# Altium PCB control128v4.PcbDoc
Units mm, origin at the board's own origin, x right, y up, seen from the top; angles counter-clockwise.
Board outline 105 x 150 mm, 2 copper layers (Top Layer, Bottom Layer); 97 components, 98 nets, 649 pads, 41 vias.
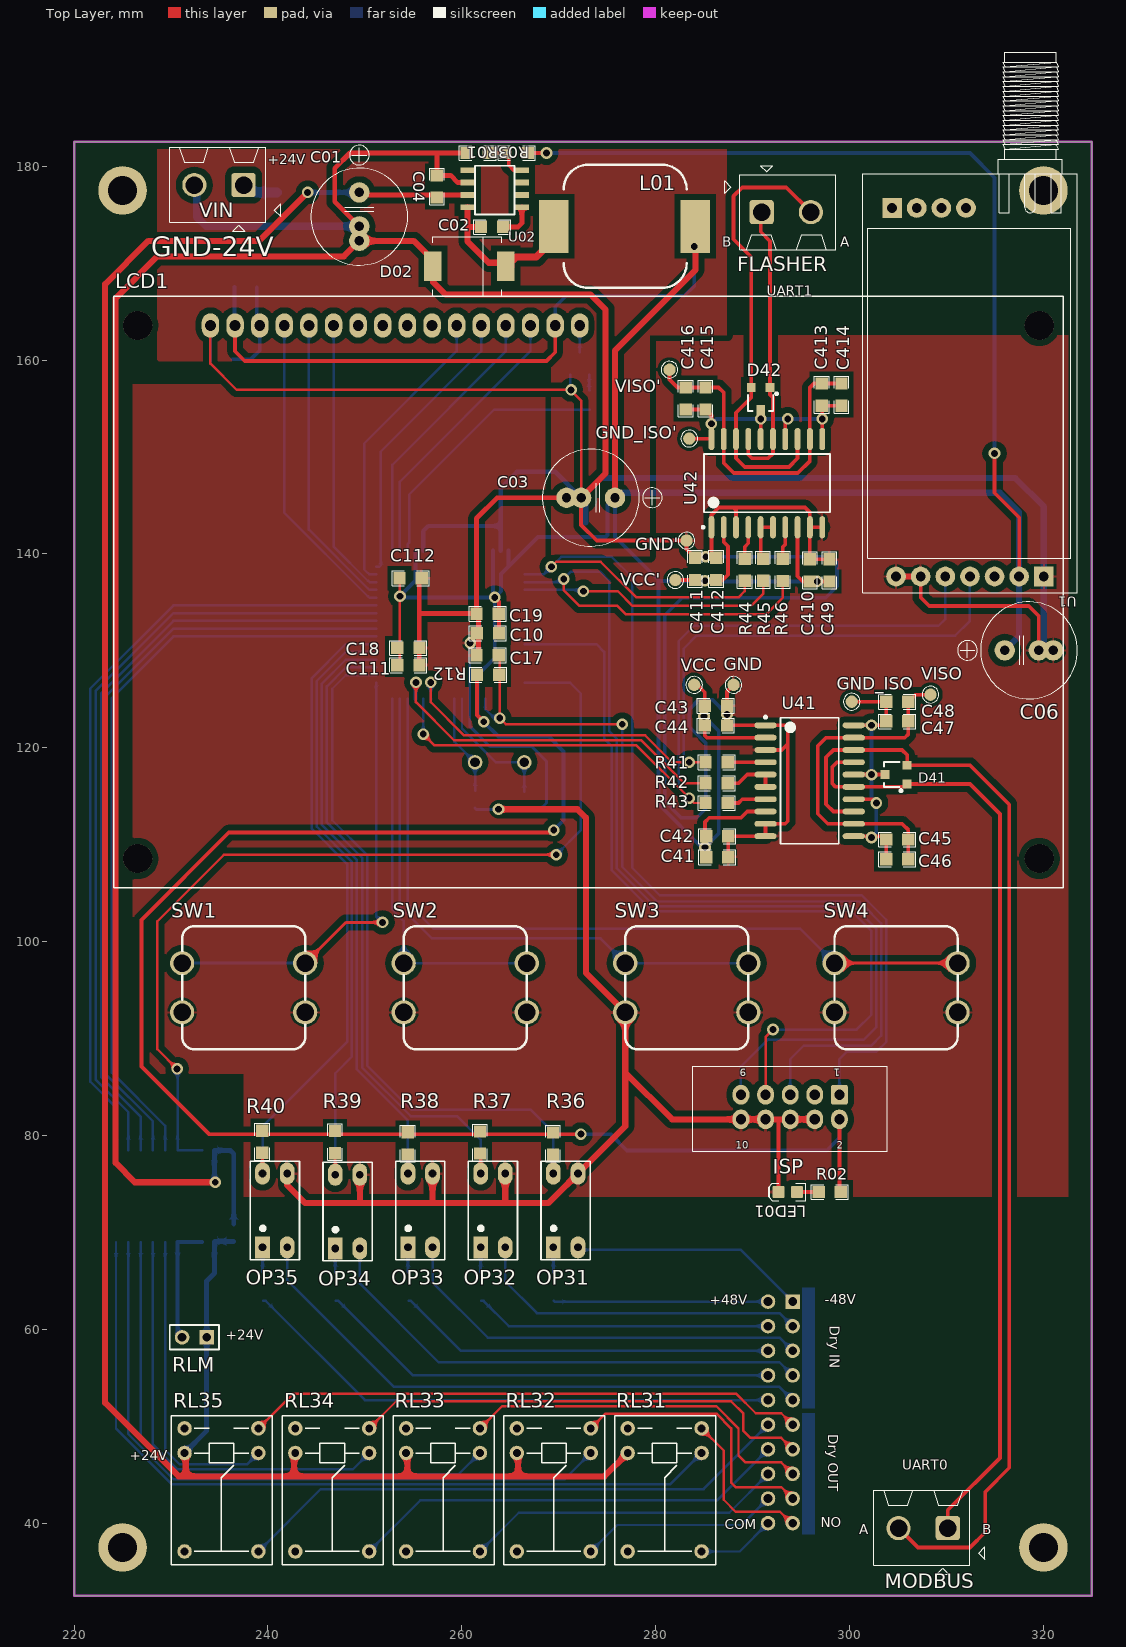
[diagram p0: Top Layer view]
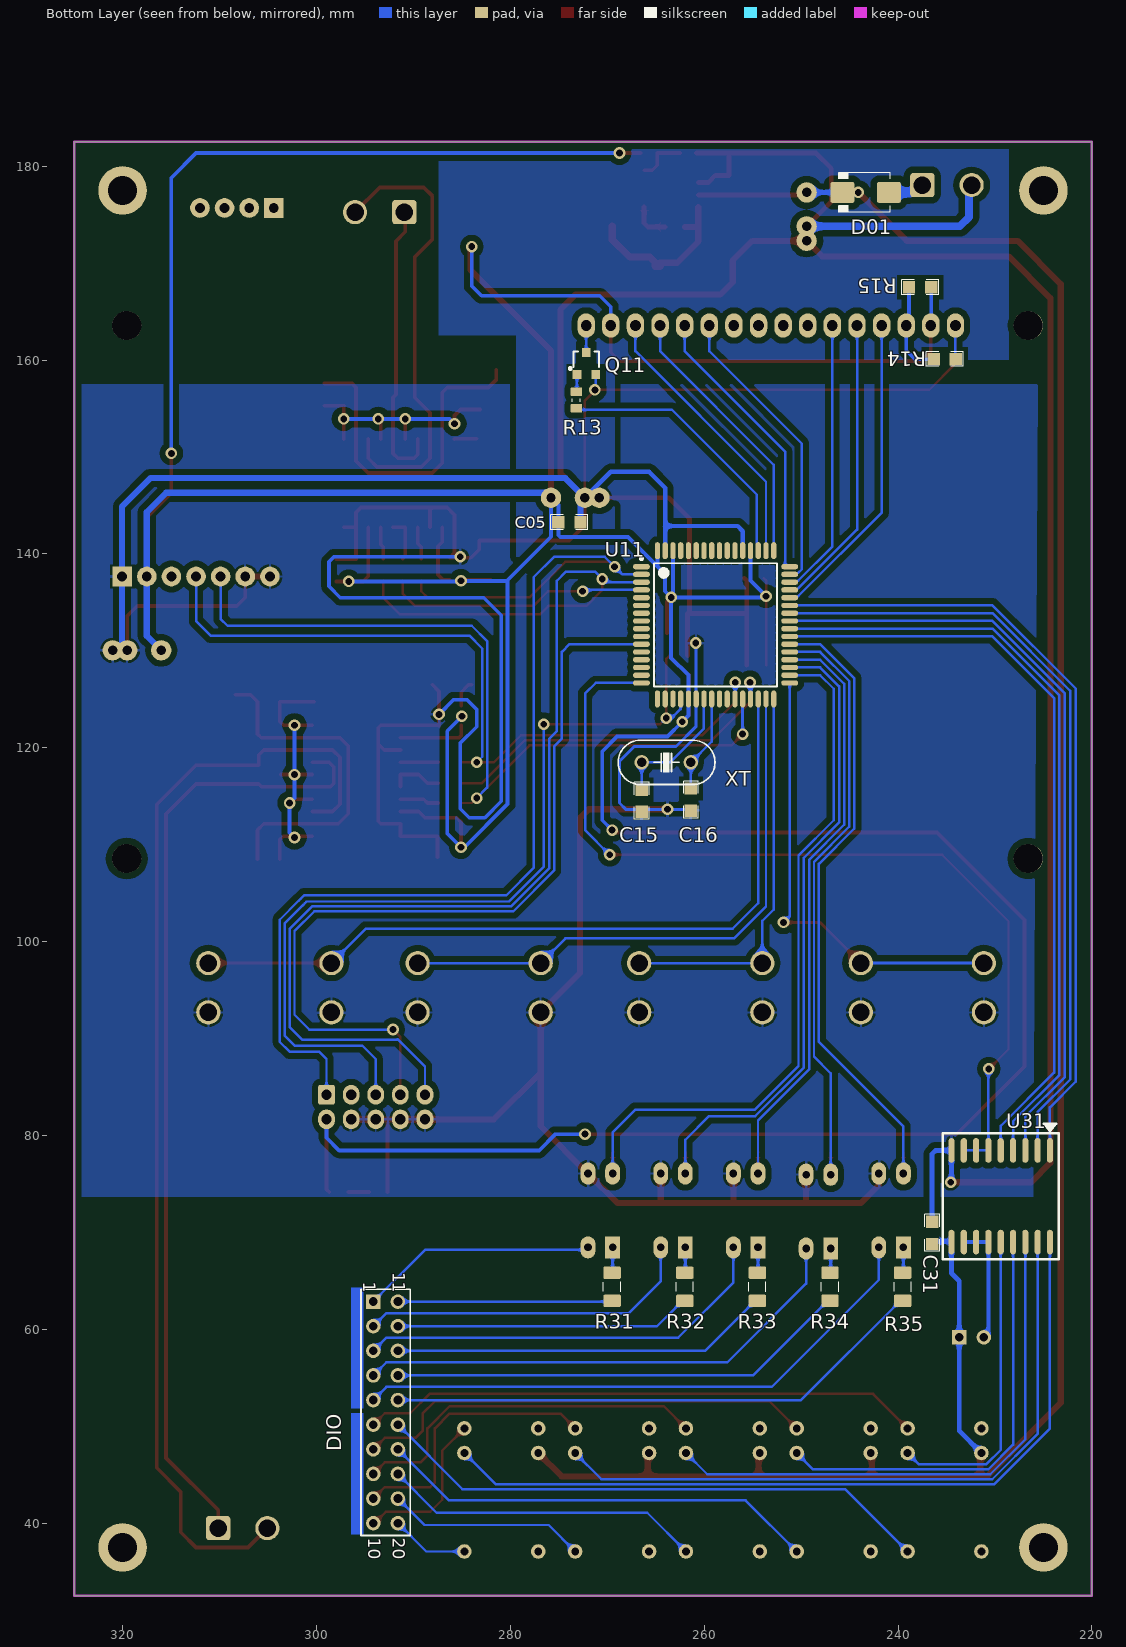
[diagram p1: Bottom Layer view, seen from below]
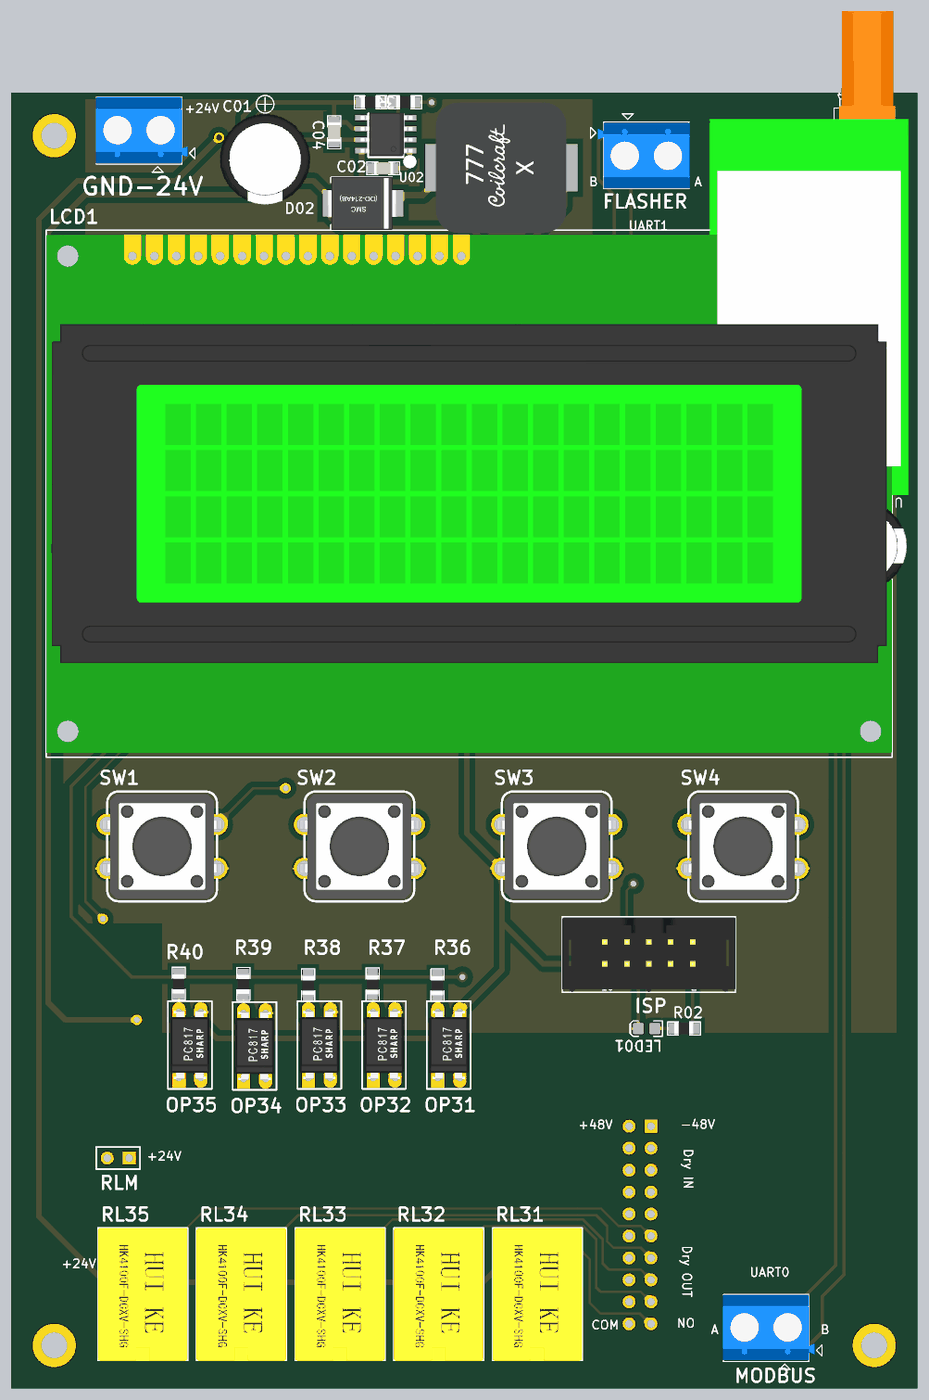
[diagram p2: 3D render of the assembled board from above, using the file's embedded part models]
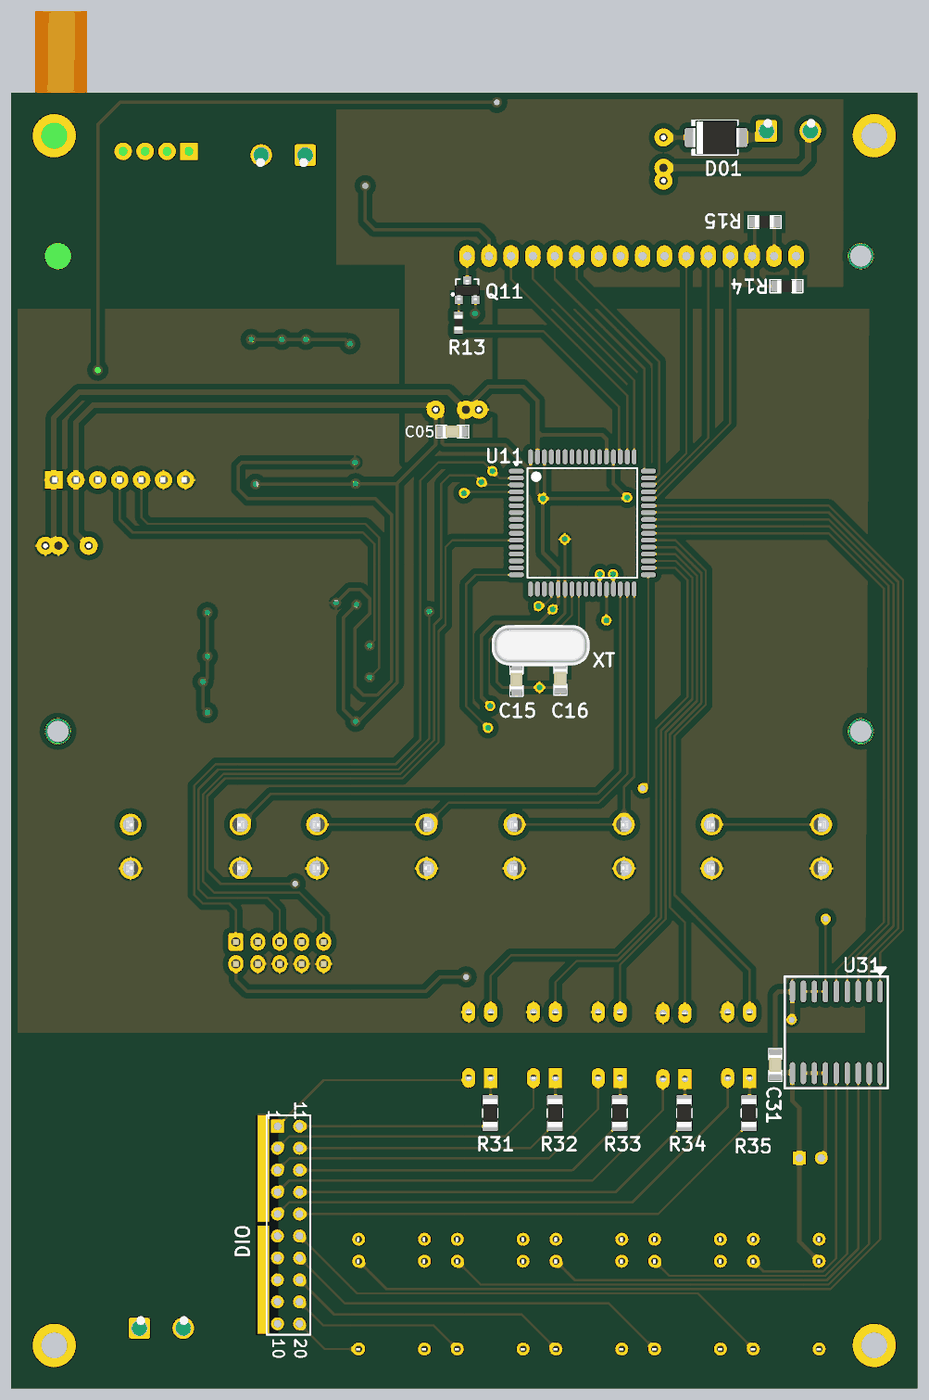
[diagram p3: 3D render of the assembled board from below, using the file's embedded part models]

## Layer stack, top to bottom
Top Solder: solder mask 0.0102, Solder Resist, Dk 3.5
Top Layer: signal copper 0.0356
Dielectric 1: dielectric 0.32, FR-4, Dk 4.8
Bottom Layer: signal copper 0.0356
Bottom Solder: solder mask 0.0102, Solder Resist, Dk 3.5

## Board outline
220,32.5 220,182.5 325,182.5 325,32.5

## Design rules (kind name [scope] priority, off if disabled: settings)
Clearance [All] p1: gap=0.305 ignorepadtopadclearanceinfootprint=TRUE except(0: Arc-Hole Track-Hole SMDPad-Hole THPad-Hole Via-Hole Fill-Hole Poly-Hole Region-Hole Text-Hole; 0.254: Arc-Track Arc-SMDPad Track-Track Track-SMDPad SMDPad-SMDPad; 0.635: Arc-Poly Track-Poly SMDPad-Poly THPad-Poly Via-Poly Fill-Poly Poly-Poly)
PolygonConnect [All] p1: connectstyle=Relief reliefconductorwidth=0.254 reliefentries=4 polygonreliefangle="90 Angle" airgapwidth=0.254
RoutingVias [All] p1: holewidth=0.8 width=1.3 viastyle="Through Hole" minholewidth=0.7 minwidth=1.2 maxholewidth=5 maxwidth=5
SolderMaskExpansion [All] p1: expansion=0.102
Width [All] p1: maxlimit=1.27 minlimit=0.254 preferedwidth=0.254
30 further rules are at their usual default settings.

## Classes and differential pairs
component class 0.powerv4: C01 C02 C03 C04 C05 D01 D02 L01 LED01 R01 R02 R03 U02 VIN
component class 2.rs485v4: C41 C42 C43 C44 C45 C46 C47 C48 C49 C410 C411 C412 C413 C414 C415 C416 D41 D42 FLASHER GND GND' GND_ISO GND_ISO' MODBUS R41 R42 R43 R44 R45 R46 U3 U41 U42 VCC VCC' VISO VISO'
component class 1.mcuv4: C06 C10 C15 C16 C17 C18 C19 C111 C112 ISP LCD1 Q11 R12 R13 R14 R15 SW1 SW3 SW4 U1 U11 U14 XT
component class 3.relayoutv4: C31 DIO OP31 OP32 OP33 OP34 OP35 R31 R32 R33 R34 R35 R36 R37 R38 R39 R40 RL31 RL32 RL33 RL34 RL35 RLM U31

## Components (designator, comment, footprint, x,y, rotation, side; value= is the part's Value field where it differs from the comment)
C01 "Tụ nhôm cắm35V/220uF" CAPE3.5-5.0MM_Rad_10x14mm 249.428,174.792 r270 top value=35V/220uF
C02 "Tụ điện dán 0603103" "CAP 0805"#1 263.144,173.736 r180 top value=103
C03 "Tụ nhôm cắm35V/220uF" CAPE3.5-5.0MM_Rad_10x14mm 273.304,145.796 r180 top value=35V/220uF
C04 "Tụ điện dán 0603104" "CAP 0805"#1 257.429,177.927 r270 top value=104
C05 "Tụ điện dán 0603104" "CAP 0805"#2 273.879,143.256 r0 bottom value=104
C06 "Tụ nhôm cắm35V/220uF" CAPE3.5-5.0MM_Rad_10x14mm 318.516,130.048 r0 top value=35V/220uF
C10 "Tụ điện dán 0603104" "CAP 0805"#1 262.661,131.826 r0 top value=104
C15 "Tụ điện dán 080522" "CAP 0805"#2 266.446,114.554 r270 bottom value=22
C16 "Tụ điện dán 080522" "CAP 0805"#2 261.366,114.681 r270 bottom value=22
C17 "Tụ điện dán 0603104" "CAP 0805"#1 262.636,129.54 r0 top value=104
C18 "Tụ điện dán 0603104" "CAP 0805"#1 254.508,130.302 r180 top value=104
C19 "Tụ điện dán 0603104" "CAP 0805"#1 262.636,133.833 r0 top value=104
C31 "Tụ điện dán 0603104" "CAP 0805"#2 236.474,69.977 r270 bottom value=104
C41 "Tụ điện dán 0603104" "CAP 0805"#1 286.385,108.712 r180 top value=104
C42 "Tụ điện dán 0805103" "CAP 0805"#1 286.385,110.883 r180 top value=103
C43 "Tụ điện dán 0805106" "CAP 0805"#1 286.236,124.333 r180 top value=106
C44 "Tụ điện dán 0805103" "CAP 0805"#1 286.236,122.301 r180 top value=103
C45 "Tụ điện dán 0603104" "CAP 0805"#1 304.902,110.528 r0 top value=104
C46 "Tụ điện dán 0805103" "CAP 0805"#1 304.902,108.496 r0 top value=103
C47 "Tụ điện dán 0805106" "CAP 0805"#1 304.902,122.72 r0 top value=106
C48 "Tụ điện dán 0805103" "CAP 0805"#1 304.902,124.752 r0 top value=103
C49 "Tụ điện dán 0805104" "CAP 0805"#1 297.929,138.325 r270 top value=104
C111 "Tụ điện dán 0603104" "CAP 0805"#1 254.508,128.524 r180 top value=104
C112 "Tụ điện dán 0603104" "CAP 0805"#1 254.737,137.49 r180 top value=104
C410 "Tụ điện dán 0805103" "CAP 0805"#1 295.91,138.328 r270 top value=103
C411 "Tụ điện dán 0805106" "CAP 0805"#1 284.064,138.478 r270 top value=106
C412 "Tụ điện dán 0805103" "CAP 0805"#1 286.236,138.478 r270 top value=103
C413 "Tụ điện dán 0805104" "CAP 0805"#1 297.129,156.413 r90 top value=104
C414 "Tụ điện dán 0805103" "CAP 0805"#1 299.161,156.413 r90 top value=103
C415 "Tụ điện dán 0805103" "CAP 0805"#1 285.14,156.007 r90 top value=103
C416 "Tụ điện dán 0805106" "CAP 0805"#1 283.108,156.007 r90 top value=106
D01 "Đi ốt dánchân DO-214AB" DO-214AA 243.332,177.292 r0 bottom
D02 "SS34" "SMD diode" 264.641,169.672 r180 top
D41 "SM712" "SOT23 TOP" 304.8,117.233 r90 top
D42 "SM712" "SOT23 TOP" 290.83,156.013 r180 top
DIO "Header 10X2A" HDR2X10_CEN 294.132,62.865 r270 bottom
FLASHER "Giắc xanh 5.08mm" 2P_PCB1 293.476,175.26 r270 top value="2 position"
GND "TESTPOINT" TP-R60 288.036,126.492 r90 top
GND' "TESTPOINT" TP-R60 283.188,141.373 r180 top
GND_ISO "TESTPOINT" TP-R60 300.228,124.752 r90 top
GND_ISO' "TESTPOINT" TP-R60 283.464,151.892 r180 top
ISP "Giắc đôi 5x2 chân 2.54mm" 10P_PCB_HEADER_BRD_MNT 293.878,82.931 r270 top value="Double-row, 10 positions"
L01 "Cuộn cảm dán22uH" "Inductor 12x12x6" 270.494,167.442 r0 top value=22uH
LCD1 "Màn hình LCD text20x4" "LCD 20x4" 234.068,163.567 r0 top
LED01 "Blue" LED-0805-K 293.624,74.168 r180 top
MODBUS "Giắc xanh 5.08mm" 2P_PCB1 307.594,39.497 r90 top value="2 position"
OP31 "PC817" DIP4/W0.3 269.443,68.458 r0 top
OP32 "PC817" DIP4/W0.3 261.943,68.458 r0 top
OP33 "PC817" DIP4/W0.3 254.443,68.458 r0 top
OP34 "PC817" DIP4/W0.3 246.943,68.338 r0 top
OP35 "PC817" DIP4/W0.3 239.443,68.458 r0 top
Q11 "C828" "SOT23 TOP" 272.161,159.639 r180 bottom
R01 "Điện trở dán 060310k" "RES 0805"#1 265.684,181.356 r0 top value=10k
R02 "Điện trở dán 0603330R" "RES 0805"#1 297.929,74.168 r180 top value=330R
R03 "Điện trở dán 06033.24k" "RES 0805"#1 261.62,181.356 r180 top value=3.24k
R12 "Điện trở dán 060310k" "RES 0805"#1 262.738,127.533 r0 top value=10k
R13 "Điện trở dán 0805470" RESC1608N_F 273.177,155.868 r270 bottom value=470
R14 "Điện trở dán 08051k" "RES 0805"#2 235.156,160.096 r180 bottom value=1k
R15 "Điện trở dán 080510k" "RES 0805"#2 237.741,167.513 r0 bottom value=10k
R31 "Điện trở dán 12066.8k" RESC3216N 269.494,64.389 r90 bottom value=6.8k
R32 "Điện trở dán 12066.8k" RESC3216N 262.001,64.389 r90 bottom value=6.8k
R33 "Điện trở dán 12066.8k" RESC3216N 254.508,64.389 r90 bottom value=6.8k
R34 "Điện trở dán 12066.8k" RESC3216N 247.015,64.389 r90 bottom value=6.8k
R35 "Điện trở dán 12066.8k" RESC3216N 239.522,64.389 r90 bottom value=6.8k
R36 "Điện trở dán 080510k" "RES 0805"#1 269.405,79.144 r270 top value=10k
R37 "Điện trở dán 080510k" "RES 0805"#1 261.881,79.251 r270 top value=10k
R38 "Điện trở dán 080510k" "RES 0805"#1 254.419,79.15 r270 top value=10k
R39 "Điện trở dán 080510k" "RES 0805"#1 246.913,79.299 r270 top value=10k
R40 "Điện trở dán 080510k" "RES 0805"#1 239.42,79.327 r270 top value=10k
R41 "Điện trở dán 08050R" "RES 0805"#1 286.258,118.503 r180 top value=0R
R42 "Điện trở dán 08050R" "RES 0805"#1 286.258,116.332 r180 top value=0R
R43 "Điện trở dán 08050R" "RES 0805"#1 286.258,114.3 r180 top value=0R
R44 "Điện trở dán 08050R" "RES 0805"#1 289.179,138.331 r270 top value=0R
R45 "Điện trở dán 08050R" "RES 0805"#1 291.084,138.331 r270 top value=0R
R46 "Điện trở dán 08050R" "RES 0805"#1 293.116,138.328 r270 top value=0R
RL31 "HK4100F_12V" HK4100F 284.734,37.084 r90 top
RL32 "HK4100F_12V" HK4100F 273.304,37.084 r90 top
RL33 "HK4100F_12V" HK4100F 261.874,37.084 r90 top
RL34 "HK4100F_12V" HK4100F 250.444,37.084 r90 top
RL35 "HK4100F_12V" HK4100F 239.014,37.084 r90 top
RLM "Header 2" HDR1X2 233.68,59.182 r180 top
SW1 "Nút bấm 4 chân cắm12x12x17mm" "SW 12x12x4" 237.49,95.25 r0 top
SW2 "Nút bấm 4 chân cắm12x12x17mm" "SW 12x12x4" 260.35,95.25 r0 top
SW3 "Nút bấm 4 chân cắm12x12x17mm" "SW 12x12x4" 283.21,95.25 r0 top
SW4 "Nút bấm 4 chân cắm12x12x17mm" "SW 12x12x4" 304.8,95.25 r0 top
U1 "Module thu phát không dây RFE32-TTL-1W" RF_AS32 320.04,137.668 r90 top value=E32-TTL-1W
U02 "TPS5430" "SOIC 8" 266.192,174.498 r180 top
U11 "ATmega128" 64A_N 258.82,132.685 r180 bottom
U31 "ULN2803A" SOIC-18 229.403,73.733 r270 bottom
U41 "ADM2582_485" SO-20B 295.885,116.598 r0 top
U42 "ADM2582_485" SO-20B 291.465,147.298 r90 top
VCC "TESTPOINT" TP-R60 283.972,126.492 r90 top
VCC' "TESTPOINT" TP-R60 282.032,137.306 r180 top
VIN "Giắc xanh 5.08mm" 2P_PCB1 234.95,178.054 r90 top value="2 position"
VISO "TESTPOINT" TP-R60 308.356,125.476 r90 top
VISO' "TESTPOINT" TP-R60 281.432,159.004 r180 top
XT "Thạch anh cắm 16MHz" XT2 263.906,118.491 r0 bottom

## Footprints (in the part's own frame and the unit in brackets; to place one, negate y for a bottom-side part, rotate by r counter-clockwise, add the part's x,y. Pads: shape width x height; smd on the part's side, far side on the other; paste and mask are expansions set on the pad)
2P_PCB1 [mm]
  rrect25% 2.5x2.5 hole 1.8: 1(0,-2.54)
  round 2.5 hole 1.8: 2(0,2.54)
  silkscreen extent -4.78,-6.35 3.9,5.08, body extent -3.71,-5.47 3.89,5.13, height 10.01
10P_PCB_HEADER_BRD_MNT [mil] "HEADER BRD MNT 10POS 2.54MM"
  round 40 on Mech14: 0(0,0)
  rrect25% 80x68 hole 42: 1(-50,200)
  oval 80x68 hole 42: 2(50,200) 3(-50,100) 4(50,100) 5(-50,0) 6(50,0) 7(-50,-100) 8(50,-100) 9(-50,-200) 10(50,-200)
  silkscreen extent -165,-395 180,395, body extent -162,-394 178,394, height 390
64A_N [mm] "Thin QFP, 64-Leads, Body 14x14mm, Pitch 0.8mm, IPC Medium Density"
  oval 1.75x0.55 smd: 1(-7.65,6) 2(-7.65,5.2) 3(-7.65,4.4) 4(-7.65,3.6) 5(-7.65,2.8) 6(-7.65,2) 7(-7.65,1.2) 8(-7.65,0.4) 9(-7.65,-0.4) 10(-7.65,-1.2) 11(-7.65,-2) 12(-7.65,-2.8) 13(-7.65,-3.6) 14(-7.65,-4.4) 15(-7.65,-5.2) 16(-7.65,-6) 33(7.65,-6) 34(7.65,-5.2) 35(7.65,-4.4) 36(7.65,-3.6) 37(7.65,-2.8) 38(7.65,-2) 39(7.65,-1.2) 40(7.65,-0.4) 41(7.65,0.4) 42(7.65,1.2) 43(7.65,2) 44(7.65,2.8) 45(7.65,3.6) 46(7.65,4.4) 47(7.65,5.2) 48(7.65,6)
  oval 0.55x1.75 smd: 17(-6,-7.65) 18(-5.2,-7.65) 19(-4.4,-7.65) 20(-3.6,-7.65) 21(-2.8,-7.65) 22(-2,-7.65) 23(-1.2,-7.65) 24(-0.4,-7.65) 25(0.4,-7.65) 26(1.2,-7.65) 27(2,-7.65) 28(2.8,-7.65) 29(3.6,-7.65) 30(4.4,-7.65) 31(5.2,-7.65) 32(6,-7.65) 49(6,7.65) 50(5.2,7.65) 51(4.4,7.65) 52(3.6,7.65) 53(2.8,7.65) 54(2,7.65) 55(1.2,7.65) 56(0.4,7.65) 57(-0.4,7.65) 58(-1.2,7.65) 59(-2,7.65) 60(-2.8,7.65) 61(-3.6,7.65) 62(-4.4,7.65) 63(-5.2,7.65) 64(-6,7.65)
  silkscreen extent -7.78,-6.35 6.35,6.95, body extent -7,-7 7,7, height 1.2
"CAP 0805"#1 [mm]
  round 0.254 on Mech14: 0(0,0)
  rect 1.27x1.27 smd: 1(-1.118,0) 2(1.168,0)
  rrect25% 1x1.4 on Top Paste: 1(-0.9,0) 1(0.9,0)
  rrect25% 1.2x1.4 on Top Solder: 1(-0.9,0) 1(0.9,0)
  Top Layer pour cut-out: 0.4,-0.8 -0.4,-0.8 -0.4,0.8 0.4,0.8
  silkscreen extent -1.88,-0.76 1.93,0.76, body extent -1.1,-0.73 1.1,0.72, height 1.34
"CAP 0805"#2 [mm]
  round 0.254 on Mech14: 0(0,0)
  rect 1.27x1.27 smd: 1(-1.118,0) 2(1.168,0)
  rrect25% 1x1.4 on Bottom Paste: 1(-0.9,0) 1(0.9,0)
  rrect25% 1.2x1.4 on Bottom Solder: 1(-0.9,0) 1(0.9,0)
  Top Layer pour cut-out: 0.4,-0.8 -0.4,-0.8 -0.4,0.8 0.4,0.8
  silkscreen extent -1.88,-0.76 1.93,0.76, body extent -1.1,-0.73 1.1,0.72, height 1.34
CAPE3.5-5.0MM_Rad_10x14mm [mm] "3.5 & 5.0mm Pitch Radial Capacitor 10x14mm DxH"
  round 0.5 on Mech14: 0(0,0)
  round 2.1 hole 0.965: 1(-2.5,0) 2(1,0) 2(2.5,0)
  silkscreen extent -7.37,-5 5,5, body extent -5.25,-5.25 5.25,5.25, height 13.99
DIP4/W0.3 [mil] "PC817"
  rect 60x90 hole 31: 1(0,0)
  oval 60x90 hole 31: 2(100,0) 3(100,300) 4(0,300)
  silkscreen extent -50,-50 150,350, body extent -40,-5 140,305, height 169
DO-214AA [mm] "JEDEC DO214 variation AA. SMB"
  round 0.508 on Mech14: 0(0,0)
  rrect25% 2.5x2.2 smd: A(-2.4,0) K(2.4,0)
  silkscreen extent -2.54,-2.03 2.79,2.03, body extent -2.8,-1.97 2.8,1.98, height 2.62
HDR1X2 [mm] "Connector; Header; 2 Position"
  rect 1.5x1.5 hole 0.9: 1(0,0)
  round 1.5 hole 0.9: 2(2.54,0)
  silkscreen extent -1.27,-1.27 3.81,1.27, body extent -1.27,-1.27 3.81,1.27, height 7
HDR2X10_CEN [mm] "Connector; Header; 10x2 Position"
  rect 1.5x1.5 hole 0.9: 1(0,0)
  round 1.5 hole 0.9: 2(2.54,0) 3(5.08,0) 4(7.62,0) 5(10.16,0) 6(12.7,0) 7(15.24,0) 8(17.78,0) 9(20.32,0) 10(22.86,0) 11(0,2.54) 12(2.54,2.54) 13(5.08,2.54) 14(7.62,2.54) 15(10.16,2.54) 16(12.7,2.54) 17(15.24,2.54) 18(17.78,2.54) 19(20.32,2.54) 20(22.86,2.54)
  silkscreen extent -1.27,-1.27 24.13,3.81, body extent -1.27,-1.27 24.13,3.81, height 7
HK4100F [mm] "Relay 6 pin"
  round 1.5 hole 0.8: 1(0,7.62) 2(0,0) 3(10.16,7.62) 4(10.16,0) 5(12.7,7.62) 6(12.7,0)
  silkscreen extent -1.35,-1.45 14.02,8.97, body extent -1.38,-1.43 14.02,8.97, height 11.82
"Inductor 12x12x6" [mil]
  rect 120x215 smd: 1(-39.37,250) 2(535.43,250)
  silkscreen extent 0,0 500,500, body extent -50,-47 544,547, height 356
"LCD 20x4" [mm]
  oval 1.8x2.5 hole 1.1: 1(0,0) 2(2.54,0) 3(5.08,0) 4(7.62,0) 5(10.16,0) 6(12.7,0) 7(15.24,0) 8(17.78,0) 9(20.32,0) 10(22.86,0) 11(25.4,0) 12(27.94,0) 13(30.48,0) 14(33.02,0) 15(35.56,0) 16(38.1,0)
  round 3 hole 3: H(-7.5,-55) H(-7.5,0) H(85.5,-55) H(85.5,0)
  silkscreen extent -10,-58 88,3, body extent -10,-57.5 88,2.5, height 20.6
LED-0805-K [mil]
  round 20 on Mech14: 0(0,0)
  rrect25% 50x50 smd: A(-37.5,0) K(37.5,0)
  Top Layer pour cut-out: -15,30 15,30 15,-30 -15,-30
  silkscreen extent -72,-35 77,35, body extent -39,-25 39,25, height 31
"RES 0805"#1 [mm] "Compoment SMD 80x50mil"
  round 0.254 on Mech14: 0(0.003,0)
  rrect25% 0.8x1.3 on Top Paste: 1(-0.997,0) 1(1.003,0)
  rrect25% 1x1.3 on Top Solder: 1(-0.997,0) 1(1.003,0)
  rect 1.27x1.27 smd: 1(1.116,0) 2(-1.17,0)
  Top Layer pour cut-out: 0.603,-0.75 -0.597,-0.75 -0.597,0.75 0.603,0.75
  silkscreen extent -1.93,-0.76 1.88,0.76, body extent -1.1,-0.68 1.1,0.67, height 0.69
"RES 0805"#2 [mm] "Compoment SMD 80x50mil"
  round 0.254 on Mech14: 0(0.003,0)
  rrect25% 0.8x1.3 on Bottom Paste: 1(-0.997,0) 1(1.003,0)
  rrect25% 1x1.3 on Bottom Solder: 1(-0.997,0) 1(1.003,0)
  rect 1.27x1.27 smd: 1(1.116,0) 2(-1.17,0)
  Top Layer pour cut-out: 0.603,-0.75 -0.597,-0.75 -0.597,0.75 0.603,0.75
  silkscreen extent -1.93,-0.76 1.88,0.76, body extent -1.1,-0.68 1.1,0.67, height 0.69
RESC1608N_F [mm] "Chip Resistor, Body 1.6x0.8mm, 0603, IPC Medium Density, for Flex circuits"
  round 0.254 on Mech14: 0(0,0)
  rrect25% 1.1x1 on Bottom Solder: 1(-0.85,0) 1(0.85,0)
  rrect25% 0.9x1.2 smd paste-1: 1(-0.85,0) 2(0.85,0)
  rrect25% 0.9x1 on Bottom Paste: 1(-0.85,0) 1(0.85,0)
  Top Layer pour cut-out: -0.4,0.6 0.4,0.6 0.4,-0.6 -0.4,-0.6
  silkscreen extent -0.15,-0.41 0.15,0.41, body extent -0.87,-0.47 0.88,0.48, height 0.54
RESC3216N [mm] "Chip Resistor, Body 3.2x1.6mm, 1206, IPC Medium Density"
  round 0.508 on Mech14: 0(0,0)
  rrect25% 1.3x1.8 smd: 1(-1.45,0) 2(1.45,0)
  silkscreen extent -0.51,-0.89 0.51,0.89, body extent -1.62,-0.82 1.63,0.83, height 0.69
RF_AS32 [mil]
  round 80 hole 40: 0(1497,316) 0(1497,416) 0(1497,516) 2(0,100) 3(0,200) 4(0,300) 5(0,400) 6(0,500) 7(0,600)
  rect 80x80 hole 40: 0(1497,616) 1(0,0)
  silkscreen extent -65,-135 2130,735, body extent -68,-154 2136,752, height 532
"SMD diode" [mm] "SS54 SS34"
  rect 1.8x3.048 smd: A(7.62,0) K(0.1,0)
  silkscreen extent 0.51,-3.05 7.62,3.05, body extent -0.08,-3.05 8.05,3.05, height 2.4
SO-20B [mm] "SOIC, 20-Leads, Body 12.8x7.5mm, Pitch 1.27mm, IPC Medium Density"
  oval 2.3x0.6 smd: 1(-4.55,5.715) 2(-4.55,4.445) 3(-4.55,3.175) 4(-4.55,1.905) 5(-4.55,0.635) 6(-4.55,-0.635) 7(-4.55,-1.905) 8(-4.55,-3.175) 9(-4.55,-4.445) 10(-4.55,-5.715) 11(4.55,-5.715) 12(4.55,-4.445) 13(4.55,-3.175) 14(4.55,-1.905) 15(4.55,-0.635) 16(4.55,0.635) 17(4.55,1.905) 18(4.55,3.175) 19(4.55,4.445) 20(4.55,5.715)
  silkscreen extent -4.67,-6.5 3,6.69, body extent -4.1,-6.32 4,6.38, height 1.95
"SOIC 8" [mm]
  round 1.524 on Top Overlay: 1(0,0)
  rect 1.52x0.6 smd: 1(0,-1.27) 2(0,-2.54) 3(0,-3.81) 4(0,-5.08) 5(5.588,-5.08) 6(5.588,-3.81) 7(5.588,-2.54) 8(5.588,-1.27)
  silkscreen extent 0.76,-5.55 4.83,-0.51, body extent -0.31,-5.67 5.71,-0.67, height 1.75
SOIC-18 [mm]
  oval 2.54x0.635 smd: 1(-4.725,5.08) 2(-4.725,3.81) 3(-4.725,2.54) 4(-4.725,1.27) 5(-4.725,0) 6(-4.725,-1.27) 7(-4.725,-2.54) 8(-4.725,-3.81) 9(-4.725,-5.08) 10(4.725,-5.08) 11(4.725,-3.81) 12(4.725,-2.54) 13(4.725,-1.27) 14(4.725,0) 15(4.725,1.27) 16(4.725,2.54) 17(4.725,3.81) 18(4.725,5.08)
  silkscreen extent -7.49,-5.97 6.48,5.97, body extent -5.03,-6 5.03,6, height 2.66
"SOT23 TOP" [mm]
  rect 0.9x0.95 smd: 1(-0.965,-1.143) 2(0,1.143) 3(0.965,-1.143)
  silkscreen extent -1.77,-0.63 1.3,1.25, body extent -1.46,-1.17 1.46,1.17, height 1
"SW 12x12x4" [mm] "Nut bam 12x12x4mm"
  round 2.5 hole 1.8: 1(-6.35,2.54) 1(6.35,2.54) 2(-6.35,-2.54) 2(6.35,-2.54)
  silkscreen extent -6.35,-6.35 6.35,6.35, body extent -6.93,-6 6.93,6, height 8.5
TP-R60 [mm]
  round 1.27 smd: 1(0,0)
  silkscreen extent -0.86,-0.86 0.86,0.86, body extent -0.76,-0.76 0.76,0.76, height 0.25
XT2 [mm]
  round 1.5 hole 1: 1(-2.54,0) 2(2.54,0)
  silkscreen extent -5.03,-2.29 4.96,2.29, body extent -5.93,-2.36 5.42,2.29, height 3.5
